# Altium PCB TEBF0808.PcbDoc (part 10 of 11) (continued)
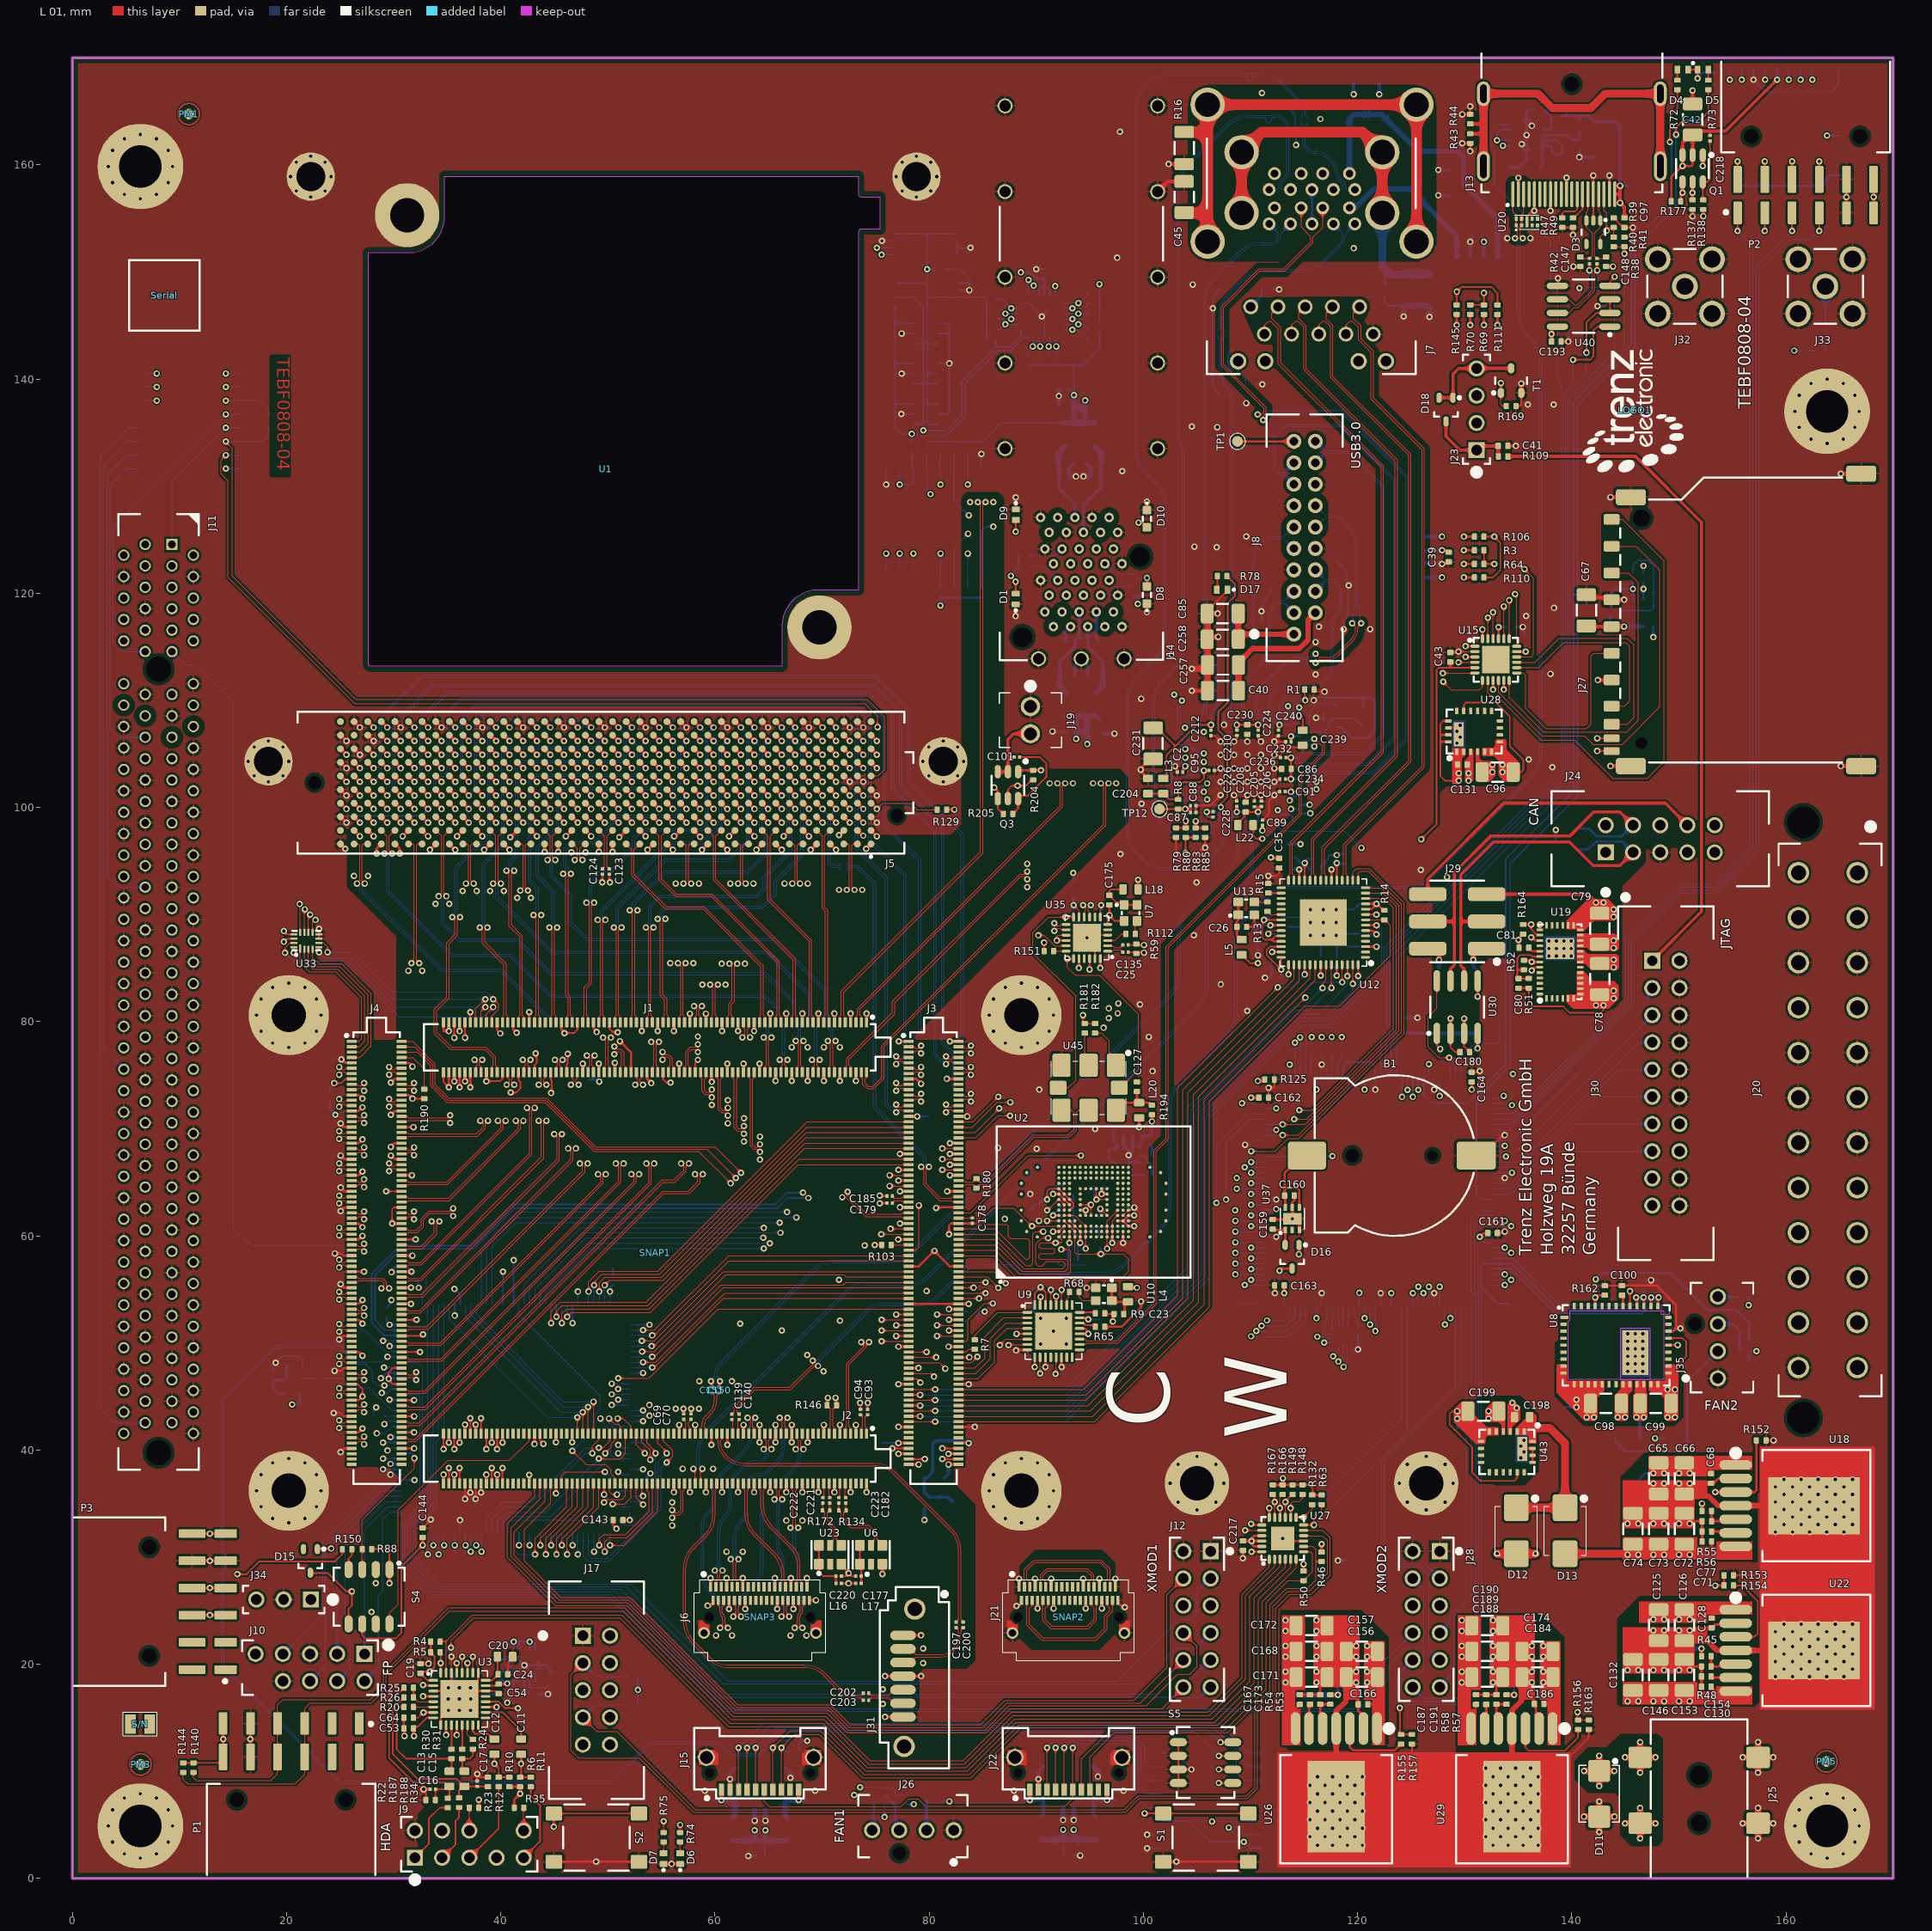
[diagram p0: L 01 view]
## Nets (pads, with @x,y where several pads share a name; then routed paths per layer and width w, separated by ;. In a path a pad name is that pad's centre, name@x,y a point inside that pad or via, vN(x,y) a via of type N, cw(c..) or ccw(c..) an arc to the next point about the centre after c; other vN are vias at no path point) (continued)
XMOD2_B: J12.7 U39.4 | length 106.1
  L 16 w0.1: U39.4@34.2,53.62 34.2,41.575 33.7,41.075 33.7,34.75 31.8,32.85 31.8,29.7 34.25,27.25 51.664,27.25 60.739,18.175 99.675,18.175 103.032,21.532 104.872,21.532 J12.7@106.27,22.93
XMOD2_E: J12.9 U39.3 | length 106.1
  L 16 w0.1: U39.3@33.7,53.62 33.7,41.675 33.45,41.425 33.45,34.8 31.55,32.9 31.55,29.5 34.05,27 51.207,27 61.007,17.2 101.275,17.2 103.125,19.05 104.93,19.05 J12.9@106.27,20.39
XMOD2_G: J12.11 U39.2 | length 105.7
  L 16 w0.1: U39.2@33.3,53.52 U39.2@33.2,53.62 33.2,34.9 31.3,33 31.3,29.3 33.85,26.75 50.75,26.75 60.55,16.95 105.37,16.95 J12.11@106.27,17.85
pads on no net: B1.H1 B1.H2 D3.4 D15.2 J1.91 J1.121 J2.4 J2.6 J2.19 J2.21 J2.22 J2.24 J2.52 J2.54 J2.73 J2.75 J2.76 J2.78 J2.99 J2.129 J2.130 J2.131 J2.132 J2.133 J2.134 J2.136 J3.18 J3.20 J3.84 J3.147 J3.148 J3.149 J3.150 J4.113 J4.115 J4.155 J4.156 J4.157 J4.158 J4.159 J4.160 J5.1 J5.2 J5.B40 J5.J39 J5.K1 J5.K40 J6.A8 J6.A9 J6.A10 J6.A11 J6.A12 J6.B8 J6.B9 J6.B10 J6.B11 J6.B12 J6.MH1 J6.MH2 J9.4 J11.A5 J11.A6 J11.A7 J11.A8 J11.A19 J11.A21 J11.A22 J11.A25 J11.A26 J11.A29 J11.A30 J11.A32 J11.A33 J11.A35 J11.A36 J11.A39 J11.A40 J11.A43 J11.A44 J11.A47 J11.A48 J11.A50 J11.A52 J11.A53 J11.A56 J11.A57 J11.A60 J11.A61 J11.A64 J11.A65 J11.A68 J11.A69 J11.A72 J11.A73 J11.A76 J11.A77 J11.A80 J11.A81 J11.B9 J11.B12 J11.B19 J11.B20 J11.B23 J11.B24 J11.B27 J11.B28 J11.B30 J11.B33 J11.B34 J11.B37 J11.B38 J11.B41 J11.B42 J11.B45 J11.B46 J11.B50 J11.B51 J11.B54 J11.B55 J11.B58 J11.B59 J11.B62 J11.B63 J11.B66 J11.B67 J11.B70 J11.B71 J11.B74 J11.B75 J11.B78 J11.B79 J11.B82 J11.H1 J11.H2 J13.4 J13.6 J13.7 J13.9 J13.10 J13.12 J13.H1 J14.H1 J14.H2 J15.9 J15.MH1 J15.MH2 J17.2 J17.4 J17.5 J17.6 J17.8 J17.9 J17.10 J20.1 J20.2 J20.4 J20.6 J20.12 J20.13 J20.14 J20.20 J20.21 J20.22 J20.23 J20.PEG1 J20.PEG2 J21.A8 J21.A9 J21.A10 J21.A11 J21.A12 J21.B8 J21.B9 J21.B10 J21.B11 J21.B12 J21.MH1 J21.MH2 J22.9 J22.MH1 J22.MH2 J23.2 J23.3 J24.1 J24.6 J24.7 J24.9 J24.10 J25.H1 J25.H2 J26.H1 J27.H1 J27.H2 J30.2 J30.14 J30.16 J30.17 J30.19 J35.H1 P1.1 P1.2 P1.7 P1.8 P1.H1 P1.H2 P2.H1 P2.H2 P3.1 P3.2 P3.7 P3.8 P3.H1 P3.H2 PM1.0 PM2.0 PM3.0 PM4.0 PM5.0 PM6.0 S4.2 S4.7 S/N.1 S/N.2 U2.A4 U2.A6 U2.A9 U2.A11 U2.AA1 U2.AA2 U2.AA7 U2.AA8 U2.AA9 U2.AA10 U2.AA11 U2.AA12 U2.AA13 U2.AA14 U2.AE1 U2.AE14 U2.AG2 U2.AG13 U2.AH4 U2.AH6 U2.AH9 U2.AH11 U2.B2 U2.B13 U2.D1 U2.D14 U2.H6 U2.H7 U2.H11 U2.H12 U2.H13 U2.H14 U2.J1 U2.J10 U2.J11 U2.J12 U2.J13 U2.J14 U2.K9 U2.K10 U2.K11 U2.K12 U2.K13 U2.K14 U2.L4 U2.L12 U2.L13 U2.L14 U2.M3 U2.M5 U2.M8 U2.M9 U2.M10 U2.M12 U2.M13 U2.M14 U2.N10 U2.N12 U2.N13 U2.N14 U2.P1 U2.P2 U2.P3 U2.P10 U2.P12 U2.P13 U2.P14 U2.R1 U2.R2 U2.R3 U2.R5 U2.R12 U2.R13 U2.R14 U2.T1 U2.T2 U2.T3 U2.T5 U2.T12 U2.T13 U2.T14 U2.U6 U2.U7 U2.U10 U2.U12 U2.U13 U2.U14 U2.V12 U2.V13 U2.V14 U2.W1 U2.W2 U2.W3 U2.W7 U2.W8 U2.W9 U2.W10 U2.W11 U2.W12 U2.W13 U2.W14 U2.Y3 U2.Y6 U2.Y7 U2.Y8 U2.Y9 U2.Y10 U2.Y11 U2.Y12 U2.Y13 U2.Y14 U3.16 U3.17 U3.21 U4.2 U4.3 U4.5 U4.6 U4.31 U4.85 U6.2 U8.1 U8.2 U8.3 U8.4 U8.5 U8.6 U8.7 U8.15 U8.16 U8.25 U8.26 U8.30 U8.31 U8.38 U8.39 U8.40 U8.42 U8.43 U8.44 U9.12 U9.15 U9.16 U9.17 U9.25 U12.1 U12.2 U12.4 U12.5 U12.29 U12.31 U12.32 U12.33 U15.25 U17.15 U17.17 U17.31 U17.63 U17.87 U17.89 U17.103 U17.129 U19.1 U19.2 U19.3 U19.4 U19.12 U19.22 U19.23 U19.24 U19.25 U19.29 U19.34 U19.35 U19.36 U19.37 U19.38 U20.4 U20.5 U20.6 U20.7 U23.2 U28.8 U28.9 U28.10 U28.11 U28.12 U28.13 U28.14 U28.16 U31.3 U32.4 U34.12 U34.13 U35.5 U35.8 U35.21 U37.2 U38.13 U39.15 U39.17 U39.31 U39.63 U39.87 U39.89 U39.103 U39.129 U43.8 U43.9 U43.10 U43.11 U43.12 U43.13 U43.14 U43.16 U44.13 U46.3 U47.5

## Polygon pours and split planes (outlines as drawn)
GND on L 02 G "GND" (solid, remove dead copper, pour order 187): 0,170 0,0 170,0 170,170
GND on L 04 G "GND" (solid, remove dead copper, pour order 189): -6.9,175.845 -6.9,1.755 1.597,-6.743 176.559,-6.743 176.995,-6.307 174.162,-3.475 174.162,177.588
GND on L 11 G "GND" (solid, remove dead copper, pour order 192): -3.868,173.966 -3.868,0.468 3.46,-6.86 177.948,-6.86 183.494,-1.314 176.958,5.222 176.958,177.927
GND on L 13 G "GND" (solid, remove dead copper, pour order 194): -5.611,175.589 -5.611,1.082 1.796,-6.325 176.521,-6.325 178.046,-7.85 175.867,-5.672 175.867,172.975
GND on L 06 G "GND" (solid, remove dead copper, pour order 191): -5.461,175.461 -5.1,-10.28 -5.461,-10.64 -4.56,-9.74 177.11,-9.74 177.11,164.548 175.461,175.461
1.2V on L 09 P "L09_1.2V_P203" (solid, remove dead copper, pour order 203): 106.425,108.9 104.825,107.3 104.825,99.65 105.675,98.8 130.275,98.8 134.425,102.95 134.425,104.375 129.9,108.9
GND on L 09 P "L09_GND_P209" (solid, remove dead copper, pour order 209): 0.2,169.575 0.2,56.15 6.55,54.95 143.9,54.95 145.45,54.95 151.3,60.8 152.625,62.125 169.725,62.125 169.725,169.225 170.075,169.575
VREF_A_M2C on L 09 P "L09_VREF_A_M2C_P206" (solid, remove dead copper, pour order 206): 23.175,72.15 23.175,56.775 23.8,56.15 24.1,55.85 32.4,55.85 39.475,55.85 59.125,75.5 70.1,75.5 75.95,81.35 75.95,106.3 75.95,106.425 75.275,107.1 71.2,107.1 70.65,106.55 70.6,106.5 70.6,101.625 70.6,92.842 64.958,87.2 50.925,87.2 38.15,87.2 23.15,72.2
AVDD18 on L 09 P "L09_AVDD18_P204" (solid, remove dead copper, pour order 204): 109.95,86.225 110.575,85.6 122.05,85.6 122.7,86.25 122.7,95.375 121.525,96.55 111.625,96.55 109.95,94.875
12V on L 09 P "L 09 P-No Net" (solid, remove dead copper, pour order 207): 169.55,0.5 169.55,57.875 154.325,57.875 141.85,45.4 141.85,30.975 139.75,28.875 135.175,28.875 129.175,22.875 110.775,22.875 102.05,14.15 55.2,14.15 50.65,9.6 31.7,9.6 24.625,9.6 15.9,18.325 15.9,33.75 22.55,40.4 22.55,75.05 25.35,77.85 25.35,94.275 27.65,96.575 31.975,96.575 32.7,97.3 32.7,100.275 32.375,100.6 25.3,100.6 24.5,101.4 24.5,125.825 23.475,126.85 0,126.85 0,0
5VSBIN on L 09 P "L09_5VSBIN_P205" (solid, remove dead copper, pour order 205): 169.525,61.706 169.525,59.875 168.35,58.7 153.6,58.7 140.925,46.025 140.925,30.725 139.85,29.65 132.675,29.65 131.975,30.35 131.975,44.325 150.125,62.475 168.756,62.475
3V3SB on L 09 P "L 09 P-No Net" (solid, remove dead copper, pour order 208): 113.675,9.5 25.589,9.5 16.789,18.3 16.789,32.786 22.3,38.298 22.3,53.975 23.7,55.375 75.75,55.375 107.5,87.125 148.55,87.125 149,86.675 149,62.05 130.9,43.95 130.9,26.725
5V on L 07 P "L 09 P-No Net" (solid, remove dead copper, pour order 198): 81.95,169.8 169.85,169.8 169.85,41.975 157.6,29.725 145.125,29.725 144.375,30.475 144.375,37.1 148,40.725 148,80.5 145.025,83.475 141.9,83.475 137.125,83.475 125.05,95.55 90.15,95.55 81.95,103.75
FMC_VADJ on L 07 P "L07_FMC_VADJ_P199" (solid, remove dead copper, pour order 199): 0,0 168.275,0 168.275,170 0,170
3.3V_MOD on L 07 P "L07_3.3V_MOD_P197" (solid, remove dead copper, pour order 197): 33.55,79.2 33.55,37.075 57.125,13.5 150.475,13.5 152.6,15.625 152.6,21.58 151.98,22.2 139.225,22.2 96.625,64.8 52.1,64.8 43.5,73.4 43.5,79.025 42.65,79.875 34.209,79.875
AVDD_CORE on L 08 P "L08_AVDD_CORE_P200" (solid, remove dead copper, pour order 200): 104.65,99.475 106.775,97.35 113,97.35 114.8,99.15 114.8,102.8 113.125,104.475 113.125,105.075 112.509,105.691 105.166,105.691 104.65,105.175
1.8V on L 08 P "L08_1.8V_P201" (solid, remove dead copper, pour order 201): 33.905,14.325 102.625,14.325 116.75,28.45 116.75,52.825 122.525,58.6 135.625,58.6 144.324,67.299 144.324,87.026 133.475,97.875 103.475,97.875 97.512,103.837 94.537,103.837 79.95,118.425 79.95,136.625 82.725,139.4 89.7,139.4 92.7,142.4 92.7,148.775 90.15,151.325 65.9,151.325 26.2,111.625 26.2,22.03
3.3V_PCI on L 08 P "L08_3.3V_PCI_P202" (solid, remove dead copper, pour order 202): -0.05,170.1 -0.05,0.65 0.3,0.3 170,0.3 170,169.911
VDD_CLK on L 10 P "L10_VDD_CLK_P210" (solid, remove dead copper, pour order 210): 93.6,92.325 90.975,89.7 90.975,86.475 93.325,84.125 96.3,84.125 97.725,85.55 97.725,90.875 96.275,92.325
3.3V_PER on L 10 P "L10_3.3V_PER_P212" (solid, remove dead copper, pour order 212): 0.1,0.35 0.25,0.5 0.25,169.75 169.6,169.75 169.8,169.55 169.75,169.5 169.75,0.2
GND on L 03 S "L03_GND_P188" (solid, remove dead copper, pour order 188): 0,170.15 0,0 169.85,0 169.8,0 169.8,169.85
GND on L 05 S "L05_GND_P190" (solid, remove dead copper, pour order 190): 0.1,170 0.1,-0.15 169.95,-0.15 169.9,-0.15 169.9,169.7
GND on L 12 S "L12_GND_P193" (solid, remove dead copper, pour order 193): 0,170.15 0,0 169.85,0 169.8,0 169.8,169.85
GND on L 14 S "L14_GND_P195" (solid, remove dead copper, pour order 195): 0,170.15 0,0 169.85,0 169.8,0 169.8,169.85
GND on L 01 "L01_GND_P186" (solid, remove dead copper, pour order 186): 0.1,170 0.1,0 170.1,0 170.1,170
GND on L 16 "GND" (solid, remove dead copper, pour order 213): 0.25,169.95 0.25,-0.05 170.25,-0.05 170.25,169.95
GND on L 15 G "GND" (solid, remove dead copper, pour order 196): 0,170 0,0 170,0 170,170

## Keep-outs
KeepOutLayer:
  the board outline again, w0.3

## Other copper
L 01:
  pour cut-out: 116.05,128.175 116.05,126.175 117.251,126.175 117.251,128.175
  pour cut-out: 114.05,126.175 114.05,124.175 112.849,124.175 112.849,126.175
  pour cut-out: 116.05,122.175 116.05,120.175 117.251,120.175 117.251,122.175
  pour cut-out: 114.05,120.175 114.05,118.175 112.849,118.175 112.849,120.175
  pour cut-out: 140.25,11 140.25,9.25 141.5,8 144,8 144.5,7.5 144.5,4 145.5,3 148,3 148.5,3.5 148.5,13.025 148.025,13.5 144.5,13.5 143.25,12.25 141.5,12.25
  pour cut-out: 105.864,150.986 125.814,150.986 127.332,152.503 127.332,165.492 125.623,167.2 125.475,167.2 125.475,167.454 125.485,167.464 105.985,167.464 105.985,167.347 104.137,165.499 104.137,152.603 104.15,152.591
  pour cut-out: 25.6,97.875 25.6,92.55 30.2,87.95 30.2,78.103 78.103,78.103 98.625,98.625 98.625,102.8 97.8,103.625 87.025,103.625 87.025,128.925 86.475,129.475 83.5,129.475 82.975,128.95 82.975,98.425 82.025,97.475 75.15,97.475 72,99.75 66.5,105.25
  pour cut-out: 115.424,114.351 115.424,113.51 116.075,113.51 116.075,114.34
  pour cut-out: 112.8,25.05 120.358,25.05 122.904,22.504 122.904,12.604 122.25,11.95 113.6,11.95 112.8,12.75 112.8,17.25
  region net 1.8V: 140.5,84.725 140.45,84.675 140.45,82.625 140.35,82.525 139.55,82.525 139.5,82.475 139.5,81.825 140.1,81.225 143.45,81.225 144.35,82.125 144.35,83.375 143.95,83.775 142,83.775 141.05,84.725
  region net 5V: 140.46,88.415 141.09,88.415 142.09,89.415 143.94,89.415 144.2,89.675 144.2,90.625 143.4,91.425 141.52,91.425 139.51,89.415 139.51,88.665 139.56,88.615 140.46,88.615
  region net GND: 140.46,86.715 140.46,85.465 140.51,85.415 141.21,85.415 141.81,84.815 144.21,84.815 144.41,85.015 144.41,86.115 144.21,86.315 141.51,86.315 141.11,86.715
  region net GND: 140.46,88.215 140.46,86.915 141.41,86.915 141.71,86.615 144.21,86.615 144.41,86.815 144.41,87.815 144.01,88.215
  region net 5V: 156.85,31.46 156.85,29.76 144.75,29.76 144.75,31.86 151.7,31.86 151.7,30.96 153.5,30.96 153.5,31.46
  region net 12V: 156.85,38.15 156.85,39.45 147.15,39.45 147.15,37.55 152.6,37.55 152.6,38.15
  region net GND: 144.75,32.7 144.75,37.15 152.6,37.15 152.6,35.46 151.45,35.46 151.45,32.7
  region net GND: 132.3,24.55 136.55,24.55 136.55,16.7 135.06,16.7 135.06,17.85 132.3,17.85
  region net 3.3V_PER: 131.06,12.45 129.36,12.45 129.36,24.55 131.46,24.55 131.46,17.6 130.56,17.6 130.56,15.8 131.06,15.8
  region net 12V: 137.75,12.45 138.95,12.45 138.95,22.15 137,22.15 137,16.7 137.75,16.7
  region net 12V: 156.85,24.64 156.85,25.84 146.3,25.84 146.3,23.89 152.6,23.89 152.6,24.64
  region net 12V: 121.35,12.45 122.55,12.45 122.55,22.15 120.6,22.15 120.6,16.7 121.35,16.7
  region net 3.3V_PCI: 114.66,12.45 112.96,12.45 112.96,24.55 115.06,24.55 115.06,17.6 114.16,17.6 114.16,15.8 114.66,15.8
  region net GND: 115.86,24.55 120.15,24.55 120.15,16.7 118.66,16.7 118.66,17.85 115.86,17.85
  region net GND: 144.75,19.15 144.75,23.45 152.6,23.45 152.6,21.95 151.45,21.95 151.45,19.15
  region net 3.3V_MOD: 156.85,17.95 156.85,16.25 144.75,16.25 144.75,18.35 151.7,18.35 151.7,17.45 153.5,17.45 153.5,17.95
  region net 3V3SB: 131.024,40.576 131.824,40.576 131.974,40.726 131.974,41.176 132.174,41.376 133.124,41.376 133.174,41.426 133.174,42.026 133.074,42.126 132.064,42.126 130.884,43.306 130.884,44.416 130.774,44.526 129.694,44.526 128.984,43.816 128.984,42.616
  region net NetC198_1: 136.034,40.616 135.984,40.666 135.984,41.266 135.834,41.416 134.784,41.416 134.734,41.466 134.734,42.016 135.725,43.007 135.725,43.55 136.35,43.55 136.684,43.216 136.684,40.666 136.634,40.616
  region net GND: 134.024,41.526 134.124,41.426 134.374,41.426 134.424,41.476 134.424,42.126 135.15,42.852 135.15,43.999 134.724,44.426 134.174,44.426 134.024,44.276
  region net GND: 133.424,41.476 133.474,41.426 133.724,41.426 133.774,41.476 133.774,44.276 133.524,44.526 132.644,44.526 131.934,43.816 131.934,42.916 132.224,42.626 133.124,42.626 133.424,42.326
  region net 1.2V: 133.775,106.35 132.975,106.35 132.825,106.2 132.825,105.75 132.625,105.55 131.675,105.55 131.625,105.5 131.625,104.9 131.725,104.8 132.735,104.8 133.175,104.36 133.175,102.95 133.725,102.4 134.625,102.4 135.125,102.9 135.125,104.15 133.875,105.4 133.875,106.25
  region net GND: 131.375,105.45 131.325,105.5 131.075,105.5 131.025,105.45 131.025,102.65 131.275,102.4 132.275,102.4 132.825,102.95 132.825,104.15 132.675,104.3 131.675,104.3 131.375,104.6
  region net GND: 130.775,105.35 130.675,105.45 130.425,105.45 130.375,105.4 130.375,104.75 130.025,104.4 130.025,102.45 130.075,102.4 130.625,102.4 130.775,102.55
  region net GND: 146.876,46.451 145.926,46.451 145.876,46.401 145.876,45.251 145.726,45.101 145.726,43.001 145.976,42.751 146.726,42.751 147.026,43.051 147.026,45.301 146.926,45.401 146.926,46.401
  region net GND: 145.626,46.401 145.576,46.451 144.626,46.451 144.576,46.401 144.576,45.701 143.976,45.101 143.976,43.051 144.276,42.751 144.976,42.751 145.276,43.051 145.276,45.191 145.626,45.541
  region net 5V: 147.226,46.451 147.176,46.401 147.176,45.601 147.426,45.351 148.126,45.351 148.626,44.851 148.626,43.051 148.926,42.751 149.626,42.751 149.926,43.051 149.926,47.901 149.826,48.001 148.776,48.001 148.726,47.951 148.726,46.551 148.626,46.451
  region net FMC_VADJ: 142.976,46.451 143.026,46.401 143.026,45.551 142.376,44.901 142.376,43.051 142.076,42.751 141.176,42.751 138.576,45.351 138.576,47.901 138.676,48.001 139.476,48.001 139.526,47.951 139.526,46.501 139.576,46.451
  region net 3.3V_PER: 128.825,105.5 130.025,105.5 130.075,105.45 130.075,104.9 129.725,104.55 129.725,102.45 129.475,102.2 128.925,102.2 128.825,102.3
  pour cut-out: 144.851,82.14 144.701,82.29 144.701,90.374 142.85,92.225 141.15,92.225 138.4,89.475 136.65,89.475 136.65,81.475 137.05,81.075 142.269,81.075 143.855,81.145
  pour cut-out: 149.622,42.25 141.12,42.253 138.401,44.972 138.401,49.976 141.726,53.301 148.076,53.301 150.476,50.901 150.476,49.151 150.426,49.101 150.426,43.054
  pour cut-out: 131.269,45.05 135.225,45.05 136.9,43.375 136.9,38 135.6,36.7 132.75,36.7 130.6,38.85 130.6,42.45 130.497,44.232
  pour cut-out: 129.2,24.39 129.561,24.751 137.057,24.751 139.304,22.504 139.304,11.75 129.2,11.75 129.2,17.25
  pour cut-out: 144.539,37.489 144.539,31.836 145.062,31.312 145.4,31.65 154.55,31.65 156.657,29.543 157.301,29.543 157.301,39.703 157.242,39.762 146.812,39.762
  pour cut-out: 30.981,2.93 30.981,1.206 30.225,0.45 30.4,0.275 43.05,0.275 43.155,0.38 43.155,6.58 43.275,6.7 43.275,7.275 41.65,8.9 34.75,8.9 33.4,7.55 33.4,7.2 32.225,6.025 32.225,2.988 32.167,2.93
  pour cut-out: 142.75,124.325 142.75,122.1 143.65,121.2 146.119,121.2 147.092,120.227 147.092,114.358 147.825,113.625 148.43,114.23 148.43,123.57 144.417,127.583 143.077,127.583 143.077,127.538 142.759,127.22
  pour cut-out: 88.427,27.93 88.427,29.208 89.878,30.66 96.179,30.66 97.384,29.455 97.384,25.491 97.63,25.245 97.63,23.111 95.874,21.354 89.544,21.354 88.412,22.486
  pour cut-out: 127.575,101.275 128.299,101.999 134.901,101.999 135.174,102.272 135.174,104.876 134.2,105.85 134.2,108.475 132.875,109.8 128.775,109.8 127.45,108.475 127.45,104.75 127.4,104.7 127.4,101.475
  pour cut-out: 120.341,117.851 119.5,117.851 119.5,117.2 120.33,117.2
  pour cut-out: 55.349,34.4 55.349,33.68 56,33.68 56,34.4
  pour cut-out: 26.273,78.3 26.07,38.653 26.268,38.455 26.268,38.402 29.498,38.402 31.032,36.868 82.375,36.868 82.375,78.3
  pour cut-out: 126.925,77.55 126.925,93.575 133.725,100.375 148.75,100.375 151.425,97.7 151.425,95.9 151.125,96.2 147.15,96.2 146.925,95.975 146.925,94.85 144.701,92.626 144.701,89.98 144.701,85.913 132.263,85.913 131.393,85.043 131.393,76.673 127.8,76.675
  pour cut-out: 146.303,26.344 144.249,24.29 144.249,16.301 144.5,16.05 157.05,16.05 157.55,16.55 157.55,25.694 156.9,26.344
  pour cut-out: 44.867,37.95 41.198,31.585 41.261,29.594 45.675,24.775 51.825,24.775 61.3,15.3 78.575,15.3 79.125,15.85 79.125,19.2 79.45,19.525 83.5,19.525 84.325,20.35 84.325,34.918 81.293,37.95
  pour cut-out: 134.69,153.15 134.69,152.499 135.41,152.499 135.41,153.15
  pour cut-out: 112.86,92.5 113.55,93.19 120.05,93.19 120.74,92.5 120.74,86 120.05,85.31 113.55,85.31 112.86,86
  pour cut-out: 18.431,142.131 18.431,131.019 ccw(c18.625,131.019) 18.625,130.825 20.175,130.825 ccw(c20.175,131.025) 20.375,131.025 20.375,142.125 ccw(c20.226,142.125) 20.226,142.274 18.574,142.274 ccw(c18.574,142.131)
  text "TEBF0808-04" at 18.754,142.027 h2 r270
L 02 G:
  pour cut-out: 57.975,42.675 57.975,43.637 56.845,43.637 56.845,42.675
  pour cut-out: 57.35,36.355 57.35,37.38 56.45,37.38 56.45,36.355
  pour cut-out: 60.35,36.355 60.35,37.38 59.45,37.38 59.45,36.355
  pour cut-out: 58.85,36.355 58.85,37.38 57.95,37.38 57.95,36.355
  pour cut-out: 67.85,36.355 67.85,37.38 66.95,37.38 66.95,36.355
  pour cut-out: 66.35,36.355 66.35,37.38 65.45,37.38 65.45,36.355
  pour cut-out: 64.85,36.355 64.85,37.38 63.95,37.38 63.95,36.355
  pour cut-out: 63.35,36.355 63.35,37.38 62.45,37.38 62.45,36.355
  pour cut-out: 68.35,41.025 68.35,42.05 67.45,42.05 67.45,41.025
  pour cut-out: 66.85,41.025 66.85,42.05 65.95,42.05 65.95,41.025
  pour cut-out: 65.35,41.025 65.35,42.05 64.45,42.05 64.45,41.025
  pour cut-out: 63.85,41.025 63.85,42.05 62.95,42.05 62.95,41.025
  pour cut-out: 62.35,41.025 62.35,42.05 61.45,42.05 61.45,41.025
  pour cut-out: 60.85,41.025 60.85,42.05 59.95,42.05 59.95,41.025
  pour cut-out: 59.35,41.025 59.35,42.05 58.45,42.05 58.45,41.025
  pour cut-out: 135.449,154.15 134.65,154.15 134.65,155.157 135.449,155.157
  pour cut-out: 76.35,18.065 78.75,18.065 78.75,15.89 76.35,15.89
  pour cut-out: 76.35,21.875 78.75,21.875 78.75,19.7 76.35,19.7
  pour cut-out: 83.35,24.075 82.35,24.075 82.35,23.275 83.35,23.275
  pour cut-out: 74.5,16.489 74.5,17.459 73.7,17.459 73.7,16.489
  pour cut-out: 66.13,26.4 66.13,25.55 66.98,25.55 66.98,26.4
  pour cut-out: 61.35,42.65 62.45,42.65 62.45,43.55 61.35,43.55
  pour cut-out: 96.43,26.4 96.43,25.55 97.28,25.55 97.28,26.4
  pour cut-out: 96.2,27.65 96.2,26.8 97.05,26.8 97.05,27.65
  pour cut-out: 94.93,26.4 94.93,25.55 95.78,25.55 95.78,26.4
  pour cut-out: 94.7,27.65 94.7,26.8 95.55,26.8 95.55,27.65
  pour cut-out: 90.43,26.4 90.43,25.55 91.28,25.55 91.28,26.4
  pour cut-out: 90.2,27.65 90.2,26.8 91.05,26.8 91.05,27.65
  pour cut-out: 88.93,26.4 88.93,25.55 89.78,25.55 89.78,26.4
  pour cut-out: 88.7,27.65 88.7,26.8 89.55,26.8 89.55,27.65
  pour cut-out: 67.63,26.4 67.63,25.55 68.48,25.55 68.48,26.4
  pour cut-out: 67.4,27.65 67.4,26.8 68.25,26.8 68.25,27.65
  pour cut-out: 65.9,27.65 65.9,26.8 66.75,26.8 66.75,27.65
  pour cut-out: 61.63,26.4 61.63,25.55 62.48,25.55 62.48,26.4
  pour cut-out: 60.13,26.4 60.13,25.55 60.98,25.55 60.98,26.4
  pour cut-out: 59.9,27.65 59.9,26.8 60.75,26.8 60.75,27.65
  pour cut-out: 61.4,27.65 61.4,26.8 62.25,26.8 62.25,27.65
  pour cut-out: 57.85,41.025 57.85,42.05 56.95,42.05 56.95,41.025
  pour cut-out: 56.505,80.408 56.505,79.458 57.305,79.458 57.305,80.408
  pour cut-out: 58.005,80.408 58.005,79.458 58.805,79.458 58.805,80.408
  pour cut-out: 59.505,80.408 59.505,79.458 60.305,79.458 60.305,80.408
  pour cut-out: 61.005,80.408 61.005,79.458 61.805,79.458 61.805,80.408
  pour cut-out: 57.005,75.738 57.005,74.788 57.805,74.788 57.805,75.738
  pour cut-out: 58.505,75.738 58.505,74.788 59.305,74.788 59.305,75.738
  pour cut-out: 60.005,75.738 60.005,74.788 60.805,74.788 60.805,75.738
  pour cut-out: 61.505,75.738 61.505,74.788 62.305,74.788 62.305,75.738
  pour cut-out: 63.005,75.738 63.005,74.788 63.805,74.788 63.805,75.738
  pour cut-out: 64.505,75.738 64.505,74.788 65.305,74.788 65.305,75.738
  pour cut-out: 66.005,75.738 66.005,74.788 66.805,74.788 66.805,75.738
  pour cut-out: 67.505,75.738 67.505,74.788 68.305,74.788 68.305,75.738
  pour cut-out: 69.005,75.738 69.005,74.788 69.805,74.788 69.805,75.738
  pour cut-out: 70.505,75.738 70.505,74.788 71.305,74.788 71.305,75.738
  pour cut-out: 72.005,75.738 72.005,74.788 72.805,74.788 72.805,75.738
  pour cut-out: 73.505,75.738 73.505,74.788 74.305,74.788 74.305,75.738
  pour cut-out: 73.005,80.408 73.005,79.458 73.805,79.458 73.805,80.408
  pour cut-out: 71.505,80.408 71.505,79.458 72.305,79.458 72.305,80.408
  pour cut-out: 70.005,80.408 70.005,79.458 70.805,79.458 70.805,80.408
  pour cut-out: 68.505,80.408 68.505,79.458 69.305,79.458 69.305,80.408
  pour cut-out: 67.005,80.408 67.005,79.458 67.805,79.458 67.805,80.408
  pour cut-out: 65.505,80.408 65.505,79.458 66.305,79.458 66.305,80.408
  pour cut-out: 64.005,80.408 64.005,79.458 64.805,79.458 64.805,80.408
  pour cut-out: 62.5,80.4 62.5,79.45 63.3,79.45 63.3,80.4
  pour cut-out: 59.5,45.1 60.6,45.1 60.6,46 59.5,46
L 03 S:
  pour cut-out: 107.356,161.183 107.356,155.503 109.165,153.694 109.171,153.7 122.324,153.7 124.112,155.488 124.109,155.491 124.109,161.229 122.346,162.991 109.165,162.991
  pour cut-out: 37.55,96.992 65.783,96.992 68.575,94.2 70.15,94.2 70.6,93.75 70.57,93.72 70.57,93.095 70.295,93.095 67,89.8 67,84.325 72.55,78.775 72.55,76.35 71.15,74.95 66.275,74.95 65.575,74.25 65.575,68.125 67.025,66.675 80.353,66.675 83.303,69.625 101.65,69.625 106.95,64.325 106.95,57.125 102.475,52.65 90.175,52.65 86.291,48.766 85.7,49.011 85.7,50.7 83.975,52.425 81.706,52.425 76.431,47.15 64.975,47.15 57.775,39.95 57.775,37.875 57.025,37.125 52.125,37.125 48.075,33.075 48.075,18.275 45.975,16.175 44.225,16.175 40.975,19.425 37.39,19.425 30.925,25.89 30.925,40.05 24.175,46.8 24.175,76.95 27.925,80.7 27.925,89 35.917,96.992
L 05 S:
  pour cut-out: 107.356,161.183 107.356,155.503 109.165,153.694 122.299,153.694 124.107,155.503 124.113,155.503 124.113,161.183 122.305,162.991 109.165,162.991
  pour cut-out: 24.85,94.267 24.85,60.85 21.85,57.85 21.85,44.55 25.705,40.695 26.748,40.695 29.725,37.718 29.725,27.25 75.9,27.25 79.125,30.475 79.125,42.65 82.275,45.8 91.975,45.8 96.625,50.45 96.625,52.8 89.375,60.05 89.375,69.45 96.75,76.825 96.75,79.925 87.587,89.088 87.587,92.738 74.375,105.95 34.975,105.95 33.275,104.25 33.275,95.125 32.575,94.425 27.975,94.425 27.275,95.125
L 12 S:
  pour cut-out: 38.275,76.125 40.5,73.9 61.977,73.9 66.25,78.173 66.25,81.525 67.225,82.5 74.575,82.5 76.075,81 77.15,82.075 77.15,106.725 74.2,109.675 34.642,109.675 27.275,105.232 27.275,96.625 24.65,94 24.175,77.025 37.828,77.025
  pour cut-out: 53.375,41.75 53.375,24.375 55.7,26.7 62.925,26.7 67.55,31.325 69.45,31.325 69,31.775 69,42.125 69.85,42.975 74.25,42.975 75.65,44.375 75.65,46.65 71.325,50.975 71.325,47.4 68.1,44.175 61.775,44.175 59.35,41.75
L 14 S:
  pour cut-out: 14.1,73.525 14.1,68.475 25.05,57.525 25.225,57.7 31.45,57.7 31.45,58.01 27.375,62.085 27.375,63.525 26.45,63.525 16.15,73.825 16.1,73.825
  pour cut-out: 29.716,75.3 39.843,75.3 49.418,65.725 64.583,65.725 66.658,67.8 67.883,67.8 67.883,68.975 64.733,72.125 64.733,74.55 65.483,75.3 70.733,75.3 72.383,76.95 72.383,89.225 74.608,91.45 74.608,94.175 73.108,95.675 68.433,95.675 67.383,94.625 50.033,94.625 48.308,96.35 43.866,96.35 43.833,96.317 27.825,96.317 27.183,95.675
  pour cut-out: 109.165,161.183 107.356,161.183 107.356,155.503 109.165,153.694 122.305,153.694 124.113,155.503 124.113,161.183 122.305,162.991 109.165,162.991
L 15 G:
  pour cut-out: 114.55,162.725 115.45,162.725 115.45,162.25 114.55,162.25
  pour cut-out: 114.55,163.35 115.45,163.35 115.45,162.875 114.55,162.875
  pour cut-out: 113.05,162.725 113.95,162.725 113.95,162.25 113.05,162.25
  pour cut-out: 113.05,163.35 113.95,163.35 113.95,162.875 113.05,162.875
  pour cut-out: 106.775,145.6 107.675,145.6 107.675,145.125 106.775,145.125
  pour cut-out: 106.775,146.225 107.675,146.225 107.675,145.75 106.775,145.75
  pour cut-out: 105.275,145.6 106.175,145.6 106.175,145.125 105.275,145.125
  pour cut-out: 105.275,146.225 106.175,146.225 106.175,145.75 105.275,145.75
  pour cut-out: 111.325,117.275 112.225,117.275 112.225,116.8 111.325,116.8
  pour cut-out: 111.325,117.9 112.225,117.9 112.225,117.425 111.325,117.425
  pour cut-out: 109.825,117.275 110.725,117.275 110.725,116.8 109.825,116.8
  pour cut-out: 109.825,117.9 110.725,117.9 110.725,117.425 109.825,117.425
  pour cut-out: 110.47,98.25 110.47,99.2 109.745,99.2 109.745,98.25
  pour cut-out: 109.27,98.25 109.27,99.2 108.545,99.2 108.545,98.25
  pour cut-out: 106.87,98.25 106.87,99.2 106.145,99.2 106.145,98.25
  pour cut-out: 111.35,109.05 111.35,108.1 112.075,108.1 112.075,109.05
  pour cut-out: 110.15,109.05 110.15,108.1 110.875,108.1 110.875,109.05
  pour cut-out: 108.95,109.05 108.95,108.1 109.675,108.1 109.675,109.05
  pour cut-out: 107.75,109.05 107.75,108.1 108.475,108.1 108.475,109.05
  pour cut-out: 106.55,109.05 106.55,108.1 107.275,108.1 107.275,109.05
  pour cut-out: 105.35,109.05 105.35,108.1 106.075,108.1 106.075,109.05
  pour cut-out: 106.675,143.825 107.8,143.825 107.8,144.725 106.675,144.725
  pour cut-out: 114.45,163.725 115.575,163.725 115.575,164.625 114.45,164.625
  pour cut-out: 110.65,97.825 110.65,96.925 109.6,96.925 109.6,97.825
  pour cut-out: 117.6,108.9 118.8,108.9 118.8,109.9 117.6,109.9
  pour cut-out: 119.91,107.04 121.11,107.04 121.11,108.04 119.91,108.04
  pour cut-out: 117.95,120.225 118.85,120.225 118.85,119.75 117.95,119.75
  pour cut-out: 117.95,119.6 118.85,119.6 118.85,119.125 117.95,119.125
  pour cut-out: 119.45,120.225 120.35,120.225 120.35,119.75 119.45,119.75
  pour cut-out: 119.45,119.6 120.35,119.6 120.35,119.125 119.45,119.125
  pour cut-out: 119.35,117.85 120.446,117.85 120.446,118.75 119.35,118.75
  pour cut-out: 109.7,115.525 110.825,115.525 110.825,116.425 109.7,116.425
L 07 P:
  pour cut-out: 107.306,161.183 107.306,155.503 110.133,152.675 121.336,152.675 124.164,155.503 124.164,161.261 122.383,163.042 109.165,163.042
  pour cut-out: 89.2,127 89.2,117.75 91.125,115.825 98.15,115.825 99.625,117.3 99.625,126.4 97.4,128.625 90.8,128.625
  pour cut-out: 118.275,118.225 118.1,118.05 118.1,116.125 118.3,115.925 122.125,115.925 122.975,116.775 121.4,118.35 121.4,118.625 121.225,118.625 120.775,118.175
L 08 P:
  pour cut-out: 107.306,161.183 107.306,155.503 110.133,152.675 121.336,152.675 124.164,155.503 124.164,161.261 122.383,163.042 109.165,163.042
  pour cut-out: 89.2,127 89.2,117.75 91.125,115.825 98.15,115.825 99.625,117.3 99.625,126.4 97.4,128.625 90.8,128.625
L 09 P:
  pour cut-out: 107.306,161.183 107.306,155.503 110.133,152.675 121.336,152.675 124.164,155.503 124.164,161.261 122.383,163.042 109.165,163.042
  pour cut-out: 3.867,41.55 7.107,38.31 8.993,38.31 12.233,41.55 12.233,117.55 11.3,118.483 10.657,118.483 10.116,119.024 9.35,119.483 6.8,119.483 6.401,119.083 6.043,119.083 5.443,118.483 4.8,118.483 3.867,117.55
L 10 P:
  pour cut-out: 107.306,161.183 107.306,155.503 110.133,152.675 121.336,152.675 124.164,155.503 124.164,161.261 122.383,163.042 109.165,163.042
  pour cut-out: 89.2,127 89.2,117.75 91.125,115.825 98.15,115.825 99.625,117.3 99.625,126.4 97.4,128.625 90.8,128.625
  pour cut-out: 140.3,0.1 140.35,0.15 141.05,0.15 139.95,1.25 139.95,2.05 138.7,0.8 138.7,0.25